# KiCad board HPM6E00FULLPORTRevB.kicad_pcb (continued)
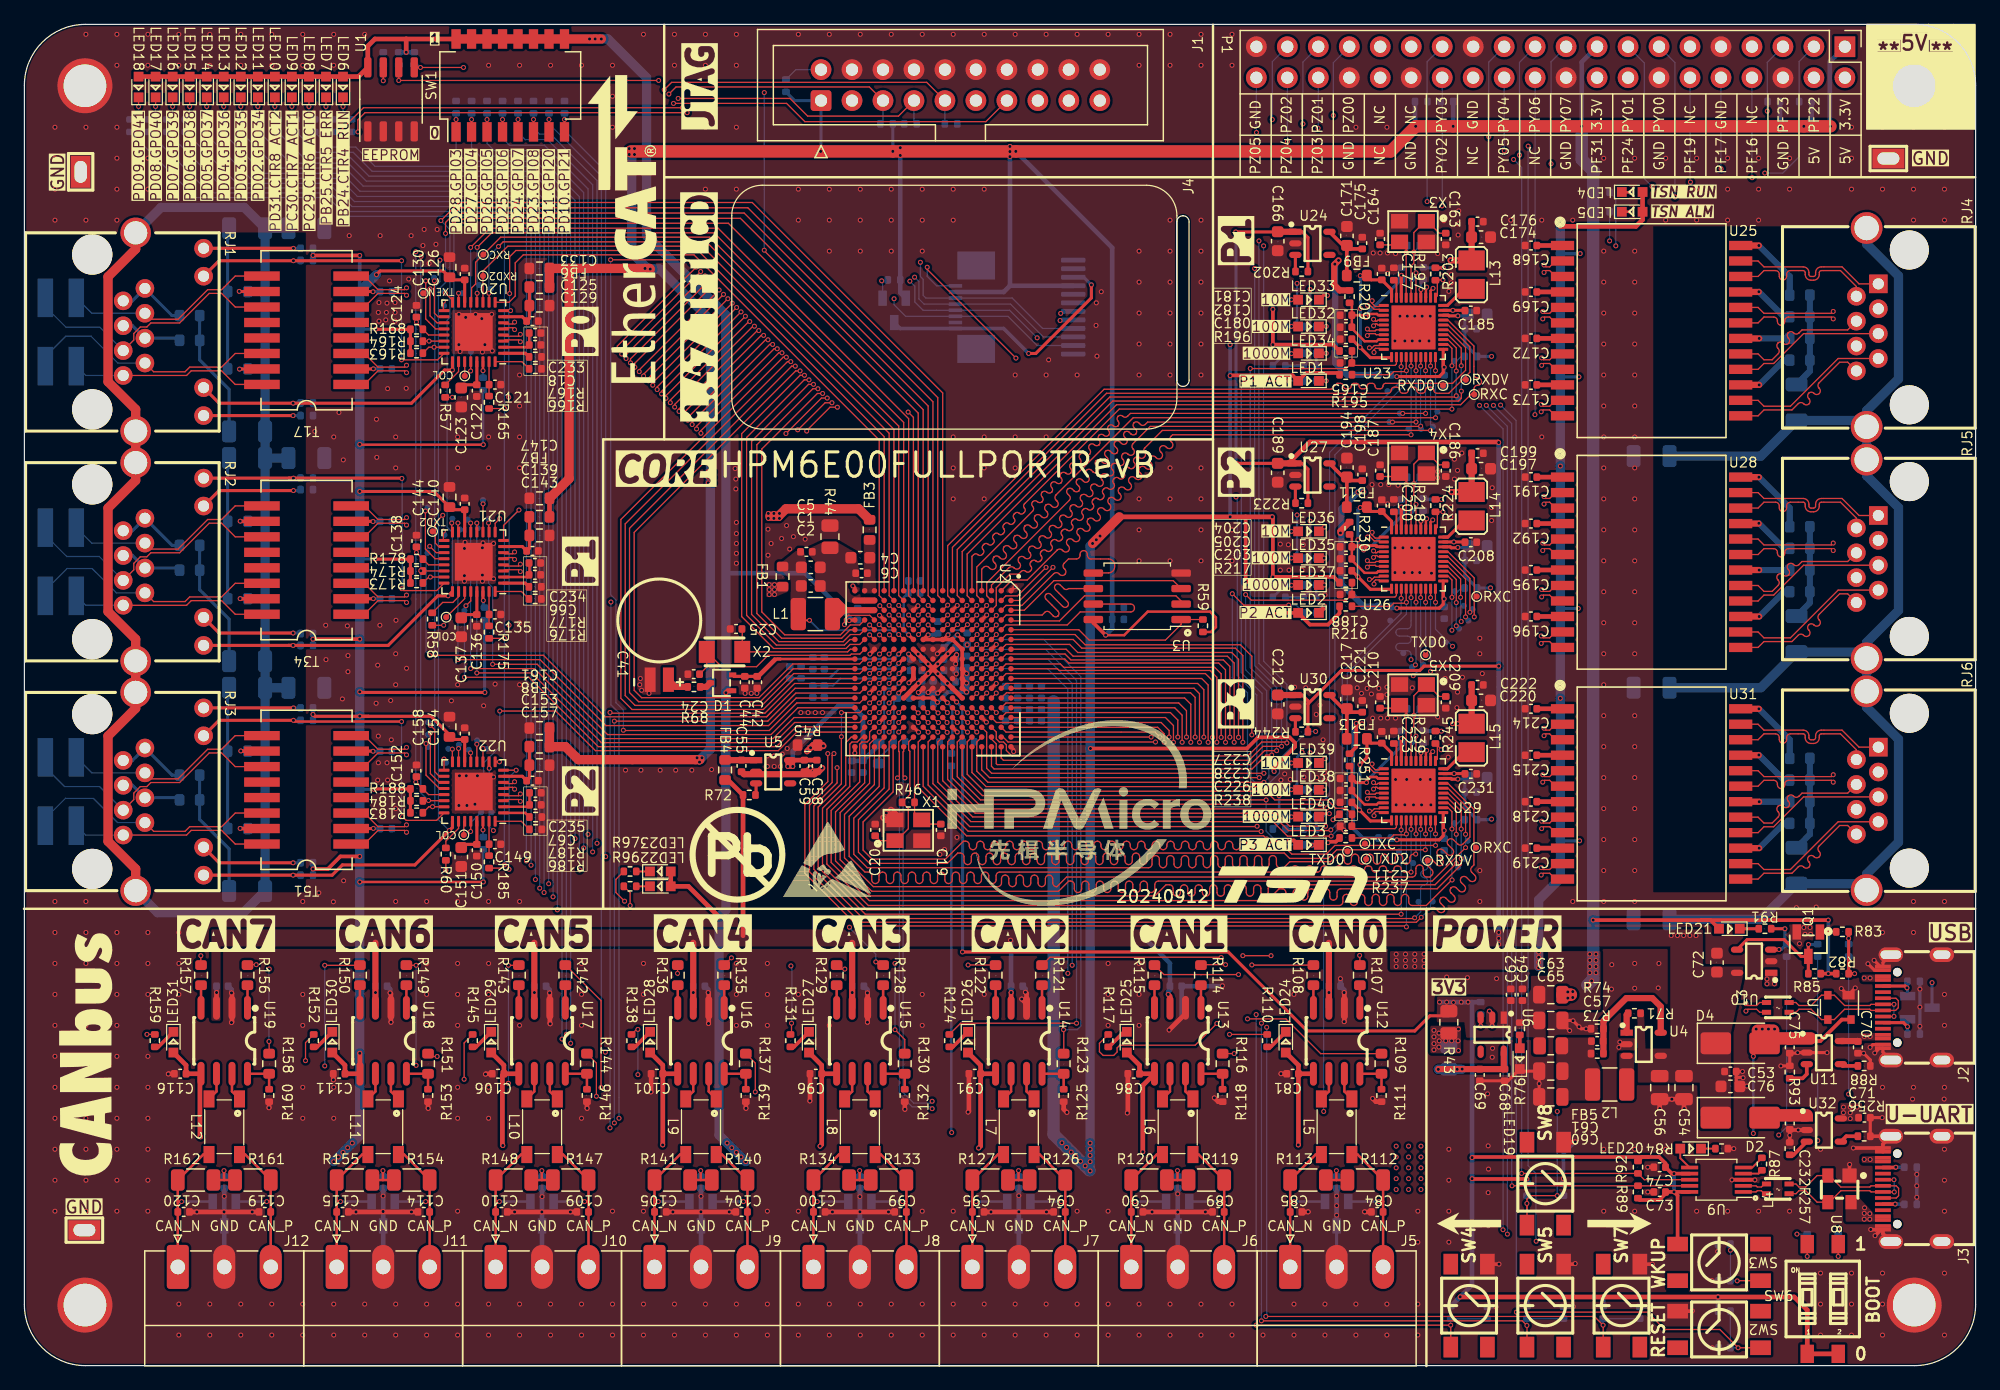
[diagram p0: board, top side]
## Routing (per net, layer and track width the routed paths; a pad name or vN(x,y) marks a point on that pad's centre or on a via; arc(x,y) is an arc through that point) (continued)
  POWER3 w0.102: v1(74.11,52.75) 74.11,52.52 73.73,52.14 73.73,51.02 69.05,46.34 44.36,46.34 39.74,50.97 v1(37.1,50.97)
/HPM6E00 FULL PORT MAINENTRY/PE13: length 47
  Top w0.102: v1(36.59,50.26) 36.59,49.53 U22.13 ; v1(74.92,53.53) U2.J13
  POWER3 w0.102: v1(36.59,50.26) 39.41,50.26 43.98,45.68 69.48,45.68 71.14,47.34 72.48,47.34 74.51,49.37 74.51,53.13 v1(74.92,53.53)
/HPM6E00 FULL PORT MAINENTRY/PE14: length 44.9
  Top w0.102: U2.L14 72.9,53.14 v1(73.29,52.75) ; U22.15 35.6,49.52 v1(35.6,50.61)
  POWER3 w0.102: v1(73.29,52.75) 73.22,52.75 72.74,52.26 72.74,50.92 68.8,46.98 44.74,46.98 40.02,51.7 36.69,51.7 v1(35.6,50.61)
/HPM6E00 FULL PORT MAINENTRY/PE15: length 46
  Top w0.102: U22.16 35.09,49.53 v1(35.09,50.56) ; U2.L13 72.9,53.93 v1(73.29,53.53)
  POWER3 w0.102: v1(35.09,50.56) 35.09,50.61 36.6,52.11 40.1,52.11 44.9,47.31 68.7,47.31 72.51,51.12 72.51,52.75 v1(73.29,53.53)
/HPM6E00 FULL PORT MAINENTRY/PE16: length 47.8
  Top w0.102: U22.17 34.41,48.84 v1(34.41,49.75) ; v1(74.08,53.56) 73.7,53.94 U2.K13
  POWER3 w0.102: v1(34.41,49.75) 35.27,49.75 36.85,51.32 39.89,51.32 44.54,46.68 68.93,46.68 72.96,50.71 72.96,52.16 73.14,52.34 73.47,52.34 73.7,52.57 73.7,53.18 v1(74.08,53.56)
/HPM6E00 FULL PORT MAINENTRY/PE17: length 48
  Top w0.102: v1(71.69,51.96) 72.09,52.35 U2.M15 ; v1(33.29,52.52) 33.64,52.16 33.64,48.71 34.02,48.33 U22.18
  POWER3 w0.102: v1(71.69,51.96) 71.69,51.63 68.37,48.3 45.41,48.3 40.38,53.33 34.1,53.33 v1(33.29,52.52)
/HPM6E00 FULL PORT MAINENTRY/PE18: length 49.4
  Top w0.102: U2.M14 v1(71.69,52.75) ; U22.19 34.01,47.83 33.29,48.55 33.29,51.88 v1(33.29,51.88)
  POWER3 w0.102: v1(33.29,51.88) 34.33,52.92 40.27,52.92 45.23,47.97 68.49,47.97 72.05,51.53 72.05,52.39 v1(71.69,52.75)
/HPM6E00 FULL PORT MAINENTRY/PE19: length 51.1
  Top w0.102: U2.M13 72.09,53.95 v1(71.69,53.56) ; U22.20 34.03,47.33 32.93,48.43 v1(32.93,51.02)
  POWER3 w0.102: v1(71.69,53.56) 72.28,52.97 72.28,51.32 68.6,47.64 45.05,47.64 40.17,52.52 34.43,52.52 v1(32.93,51.02)
/HPM6E00 FULL PORT MAINENTRY/PE20: length 81.3
  Top w0.102: U2.R17 69.7,47.65 67.25,45.2 67.25,41.65 69.61,39.28 79.82,39.28 arc(80.03,39.37) 80.12,39.58 80.12,39.93 arc(80.21,40.15) 80.42,40.23 arc(80.63,40.15) 80.72,39.93 80.72,39.58 arc(80.81,39.37) 81.02,39.28 arc(81.23,39.37) 81.32,39.58 81.32,39.93 arc(81.41,40.15) 81.62,40.23 arc(81.83,40.15) 81.92,39.93 81.92,39.58 arc(82.01,39.37) 82.22,39.28 arc(82.43,39.37) 82.52,39.58 82.52,39.93 arc(82.61,40.15) 82.82,40.23 arc(83.03,40.15) 83.12,39.93 83.12,39.58 arc(83.21,39.37) 83.42,39.28 arc(83.63,39.37) 83.72,39.58 83.72,39.93 arc(83.81,40.15) 84.02,40.23 arc(84.23,40.15) 84.32,39.93 84.32,39.58 arc(84.41,39.37) 84.62,39.28 84.67,39.28 85.46,40.07 113.8,40.07 arc(114.01,40.16) 114.1,40.37 114.1,40.77 arc(114.19,40.98) 114.4,41.07 arc(114.61,40.98) 114.7,40.77 114.7,40.37 arc(114.79,40.16) 115,40.07 115.26,40.07 115.41,40.23 arc(115.5,40.44) 115.41,40.65 115.06,41.01 arc(114.97,41.22) RXDV.1 arc(115.27,41.52) 115.49,41.43 115.84,41.08 arc(116.05,40.99) 116.26,41.08 arc(116.35,41.29) 116.26,41.5 115.91,41.86 arc(115.82,42.07) 115.91,42.28 arc(116.12,42.37) 116.33,42.28 116.69,41.93 arc(116.9,41.84) 117.11,41.93 arc(117.2,42.14) 117.11,42.35 116.76,42.71 arc(116.67,42.92) 116.76,43.13 arc(116.97,43.22) 117.18,43.13 117.54,42.78 arc(117.75,42.69) 117.96,42.78 118.53,43.35 118.53,45.56 116.74,47.35 U29.26
/HPM6E00 FULL PORT MAINENTRY/PE21: length 78.7
  Top w0.102: v1(118.18,42.48) 115.43,39.74 92.99,39.74 arc(92.78,39.65) 92.69,39.44 92.69,39.1 arc(92.6,38.89) 92.39,38.8 arc(92.18,38.89) 92.09,39.1 92.09,39.44 arc(92,39.65) 91.79,39.74 arc(91.58,39.65) 91.49,39.44 91.49,39.1 arc(91.4,38.89) 91.19,38.8 arc(90.98,38.89) 90.89,39.1 90.89,39.44 arc(90.8,39.65) 90.59,39.74 arc(90.38,39.65) 90.29,39.44 90.29,39.1 arc(90.2,38.89) 89.99,38.8 arc(89.78,38.89) 89.69,39.1 89.69,39.44 arc(89.6,39.65) 89.39,39.74 arc(89.18,39.65) 89.09,39.44 89.09,39.1 arc(89,38.89) 88.79,38.8 arc(88.58,38.89) 88.49,39.1 88.49,39.44 arc(88.4,39.65) 88.19,39.74 arc(87.98,39.65) 87.89,39.44 87.89,39.1 arc(87.8,38.89) 87.59,38.8 arc(87.38,38.89) 87.29,39.1 87.29,39.44 arc(87.2,39.65) 86.99,39.74 arc(86.78,39.65) 86.69,39.44 86.69,39.1 arc(86.6,38.89) 86.39,38.8 arc(86.18,38.89) 86.09,39.1 86.09,39.44 arc(86,39.65) 85.79,39.74 85.64,39.74 84.8,38.9 69.48,38.9 66.89,41.49 66.89,45.35 69.31,47.77 69.31,50.99 69.7,51.39 U2.R16 ; v1(118.18,43.58) 118.18,45.51 116.73,46.95 U29.25
  Bottom w0.102: v1(118.18,42.48) v1(118.18,43.58)
/HPM6E00 FULL PORT MAINENTRY/PE22: length 78.7
  Top w0.102: U2.R15 69.31,51.96 69.31,51.35 69.1,51.15 68.67,51.15 68.49,50.97 68.49,47.87 66.16,45.53 66.16,41.26 69.28,38.14 101.92,38.14 102.89,39.11 103.14,39.11 arc(103.35,39.02) 103.44,38.81 103.44,38.47 arc(103.53,38.26) 103.74,38.17 arc(103.95,38.26) 104.04,38.47 104.04,38.81 arc(104.13,39.02) 104.34,39.11 arc(104.55,39.02) 104.64,38.81 104.64,38.47 arc(104.73,38.26) 104.94,38.17 arc(105.15,38.26) 105.24,38.47 105.24,38.81 arc(105.33,39.02) 105.54,39.11 arc(105.75,39.02) 105.84,38.81 105.84,38.47 arc(105.93,38.26) 106.14,38.17 arc(106.35,38.26) 106.44,38.47 106.44,38.81 arc(106.53,39.02) 106.74,39.11 arc(106.95,39.02) 107.04,38.81 107.04,38.47 arc(107.13,38.26) 107.34,38.17 arc(107.55,38.26) 107.64,38.47 107.64,38.81 arc(107.73,39.02) 107.94,39.11 115.84,39.11 117.82,41.08 v1(117.82,41.57) ; v1(117.82,44.01) 117.82,45.46 116.73,46.55 U29.24
  Bottom w0.102: v1(117.82,41.57) v1(117.82,44.01)
/HPM6E00 FULL PORT MAINENTRY/PE23: length 78.7
  Top w0.102: v1(117.41,41.18) 115.67,39.44 102.29,39.44 arc(102.08,39.35) 101.99,39.14 101.99,38.8 arc(101.91,38.59) 101.69,38.5 arc(101.48,38.59) 101.39,38.8 101.39,39.14 arc(101.31,39.35) 101.09,39.44 arc(100.88,39.35) 100.79,39.14 100.79,38.8 arc(100.71,38.59) 100.49,38.5 arc(100.28,38.59) 100.19,38.8 100.19,39.14 arc(100.11,39.35) 99.89,39.44 arc(99.68,39.35) 99.59,39.14 99.59,38.8 arc(99.51,38.59) 99.29,38.5 arc(99.08,38.59) 98.99,38.8 98.99,39.14 arc(98.91,39.35) 98.69,39.44 arc(98.48,39.35) 98.39,39.14 98.39,38.8 arc(98.31,38.59) 98.09,38.5 arc(97.88,38.59) 97.79,38.8 97.79,39.14 arc(97.71,39.35) 97.49,39.44 arc(97.28,39.35) 97.19,39.14 97.19,38.8 arc(97.11,38.59) 96.89,38.5 arc(96.68,38.59) 96.59,38.8 96.59,39.14 arc(96.51,39.35) 96.29,39.44 arc(96.08,39.35) 95.99,39.14 95.99,38.8 arc(95.91,38.59) 95.69,38.5 arc(95.48,38.59) 95.39,38.8 95.39,39.14 arc(95.31,39.35) 95.09,39.44 arc(94.88,39.35) 94.79,39.14 94.79,38.8 arc(94.71,38.59) 94.49,38.5 arc(94.28,38.59) 94.19,38.8 94.19,39.14 arc(94.11,39.35) 93.89,39.44 93.61,39.44 92.7,38.52 69.38,38.52 66.51,41.39 66.51,45.41 68.9,47.79 U2.T17 ; U29.23 116.73,46.15 117.41,45.47 v1(117.41,43.58)
  Bottom w0.102: v1(117.41,43.58) 117.41,41.18 v1(117.41,41.18)
/HPM6E00 FULL PORT MAINENTRY/PE24: length 80
  Top w0.102: v1(117.06,44.01) 117.06,45.43 116.74,45.75 U29.22 ; v1(117.07,39.83) 117.05,39.83 114.95,37.73 113.81,37.73 arc(113.6,37.82) 113.51,38.03 113.51,38.35 arc(113.42,38.57) 113.21,38.65 arc(113,38.57) 112.91,38.35 112.91,38.03 arc(112.82,37.82) 112.61,37.73 arc(112.4,37.82) 112.31,38.03 112.31,38.35 arc(112.22,38.57) 112.01,38.65 arc(111.8,38.57) 111.71,38.35 111.71,38.03 arc(111.62,37.82) 111.41,37.73 arc(111.2,37.82) 111.11,38.03 111.11,38.35 arc(111.02,38.57) 110.81,38.65 arc(110.6,38.57) 110.51,38.35 110.51,38.03 arc(110.42,37.82) 110.21,37.73 arc(110,37.82) 109.91,38.03 109.91,38.35 arc(109.82,38.57) 109.61,38.65 arc(109.4,38.57) 109.31,38.35 109.31,38.03 arc(109.22,37.82) 109.01,37.73 arc(108.8,37.82) 108.71,38.03 108.71,38.35 arc(108.62,38.57) 108.41,38.65 arc(108.2,38.57) 108.11,38.35 108.11,38.03 arc(108.02,37.82) 107.81,37.73 69.2,37.73 65.8,41.14 65.8,45.62 67.68,47.5 67.68,50.97 67.86,51.15 68.29,51.15 68.7,51.55 U2.T16
  Bottom w0.102: R236.2 117.82,44.77 v1(117.06,44.01) 117.06,39.84 v1(117.07,39.83)
/HPM6E00 FULL PORT MAINENTRY/PE25: length 81.8
  Top w0.102: U29.27 116.73,47.75 118.86,45.62 118.86,41.06 118.68,40.88 arc(118.6,40.67) 118.68,40.46 118.94,40.21 arc(119.02,40) 118.94,39.78 arc(118.72,39.7) 118.51,39.78 118.26,40.04 arc(118.05,40.12) 117.84,40.04 arc(117.75,39.82) 117.84,39.61 118.09,39.36 arc(118.18,39.15) 118.09,38.93 arc(117.88,38.85) 117.66,38.93 117.41,39.19 arc(117.2,39.27) 116.99,39.19 arc(116.9,38.97) 116.99,38.76 117.24,38.51 arc(117.33,38.3) 117.24,38.09 arc(117.03,38) 116.81,38.09 116.56,38.34 arc(116.35,38.43) 116.14,38.34 arc(116.05,38.13) 116.14,37.91 116.39,37.66 arc(116.48,37.45) 116.39,37.24 arc(116.18,37.15) 115.97,37.24 115.71,37.49 arc(115.5,37.58) 115.29,37.49 115.18,37.38 69.08,37.38 65.45,41.01 65.45,45.71 67.35,47.61 67.35,51.09 67.81,51.55 U2.U16
/HPM6E00 FULL PORT MAINENTRY/PE26: length 78.7
  Top w0.102: v1(115.71,42.66) 107.46,42.66 106.75,41.95 103.93,41.95 102.87,43.01 102.38,43.01 arc(102.17,42.92) 102.08,42.71 102.08,42.61 arc(101.99,42.4) 101.78,42.31 arc(101.57,42.4) 101.48,42.61 101.48,42.71 arc(101.39,42.92) 101.18,43.01 arc(100.97,42.92) 100.88,42.71 100.88,42.61 arc(100.79,42.4) 100.58,42.31 arc(100.37,42.4) 100.28,42.61 100.28,42.71 arc(100.19,42.92) 99.98,43.01 arc(99.77,42.92) 99.68,42.71 99.68,42.61 arc(99.59,42.4) 99.38,42.31 arc(99.17,42.4) 99.08,42.61 99.08,42.71 arc(98.99,42.92) 98.78,43.01 arc(98.57,42.92) 98.48,42.71 98.48,42.61 arc(98.39,42.4) 98.18,42.31 arc(97.97,42.4) 97.88,42.61 97.88,42.71 arc(97.79,42.92) 97.58,43.01 arc(97.37,42.92) 97.28,42.71 97.28,42.61 arc(97.19,42.4) 96.98,42.31 arc(96.77,42.4) 96.68,42.61 96.68,42.71 arc(96.59,42.92) 96.38,43.01 arc(96.17,42.92) 96.08,42.71 96.08,42.61 arc(95.99,42.4) 95.78,42.31 arc(95.57,42.4) 95.48,42.61 95.48,42.71 arc(95.39,42.92) 95.18,43.01 arc(94.97,42.92) 94.88,42.71 94.88,42.61 arc(94.79,42.4) 94.58,42.31 arc(94.37,42.4) 94.28,42.61 94.28,42.71 arc(94.19,42.92) 93.98,43.01 arc(93.77,42.92) 93.68,42.71 93.68,42.61 arc(93.59,42.4) 93.38,42.31 arc(93.17,42.4) 93.08,42.61 93.08,42.71 arc(92.99,42.92) 92.78,43.01 arc(92.57,42.92) 92.48,42.71 92.48,42.61 arc(92.39,42.4) 92.18,42.31 arc(91.97,42.4) 91.88,42.61 91.88,42.71 arc(91.79,42.92) 91.58,43.01 arc(91.37,42.92) 91.28,42.71 91.28,42.61 arc(91.19,42.4) 90.98,42.31 arc(90.77,42.4) 90.68,42.61 90.68,42.71 arc(90.59,42.92) 90.38,43.01 arc(90.17,42.92) 90.08,42.71 90.08,42.61 arc(89.99,42.4) 89.78,42.31 arc(89.57,42.4) 89.48,42.61 89.48,42.71 arc(89.39,42.92) 89.18,43.01 arc(88.97,42.92) 88.88,42.71 88.88,42.61 arc(88.79,42.4) 88.58,42.31 arc(88.37,42.4) 88.28,42.61 88.28,42.71 arc(88.19,42.92) 87.98,43.01 arc(87.77,42.92) 87.68,42.71 87.68,42.61 arc(87.59,42.4) 87.38,42.31 arc(87.17,42.4) 87.08,42.61 87.08,42.71 arc(86.99,42.92) 86.78,43.01 arc(86.57,42.92) 86.48,42.71 86.48,42.61 arc(86.39,42.4) 86.18,42.31 arc(85.97,42.4) 85.88,42.61 85.88,42.71 arc(85.79,42.92) 85.58,43.01 arc(85.37,42.92) 85.28,42.71 85.28,42.61 arc(85.19,42.4) 84.98,42.31 arc(84.77,42.4) 84.68,42.61 84.68,42.71 arc(84.59,42.92) 84.38,43.01 arc(84.17,42.92) 84.08,42.71 84.08,42.61 arc(83.99,42.4) 83.78,42.31 arc(83.57,42.4) 83.48,42.61 83.48,42.71 arc(83.39,42.92) 83.18,43.01 arc(82.97,42.92) 82.88,42.71 82.88,42.61 arc(82.79,42.4) 82.58,42.31 arc(82.37,42.4) 82.28,42.61 82.28,42.71 arc(82.19,42.92) 81.98,43.01 arc(81.77,42.92) 81.68,42.71 81.68,42.61 arc(81.59,42.4) 81.38,42.31 arc(81.17,42.4) 81.08,42.61 81.08,42.71 arc(80.99,42.92) 80.78,43.01 arc(80.57,42.92) 80.48,42.71 80.48,42.61 arc(80.39,42.4) 80.18,42.31 arc(79.97,42.4) 79.88,42.61 79.88,42.71 arc(79.79,42.92) 79.58,43.01 arc(79.37,42.92) 79.28,42.71 79.28,42.61 arc(79.19,42.4) 78.98,42.31 arc(78.77,42.4) 78.68,42.61 78.68,42.71 arc(78.59,42.92) 78.38,43.01 arc(78.17,42.92) 78.08,42.71 78.08,42.61 arc(77.99,42.4) 77.78,42.31 arc(77.57,42.4) 77.48,42.61 77.48,42.71 arc(77.39,42.92) 77.18,43.01 77,43.01 75.53,41.54 69.51,41.54 68.77,42.28 68.77,44.59 71.24,47.06 71.24,50.69 U2.N17 ; U29.20 115.71,43.61 v1(115.71,43.61)
  Bottom w0.102: v1(115.71,42.66) v1(115.71,43.61)
/HPM6E00 FULL PORT MAINENTRY/PE27: length 78.7
  Top w0.102: v1(114.87,42.31) 107.61,42.31 106.9,41.6 103.75,41.6 103.31,42.04 92.35,42.04 arc(92.14,41.95) 92.05,41.74 92.05,41.39 arc(91.96,41.18) 91.75,41.09 arc(91.54,41.18) 91.45,41.39 91.45,41.74 arc(91.36,41.95) 91.15,42.04 arc(90.94,41.95) 90.85,41.74 90.85,41.39 arc(90.76,41.18) 90.55,41.09 arc(90.34,41.18) 90.25,41.39 90.25,41.74 arc(90.16,41.95) 89.95,42.04 arc(89.74,41.95) 89.65,41.74 89.65,41.39 arc(89.56,41.18) 89.35,41.09 arc(89.14,41.18) 89.05,41.39 89.05,41.74 arc(88.96,41.95) 88.75,42.04 arc(88.54,41.95) 88.45,41.74 88.45,41.39 arc(88.36,41.18) 88.15,41.09 arc(87.94,41.18) 87.85,41.39 87.85,41.74 arc(87.76,41.95) 87.55,42.04 arc(87.34,41.95) 87.25,41.74 87.25,41.39 arc(87.16,41.18) 86.95,41.09 arc(86.74,41.18) 86.65,41.39 86.65,41.74 arc(86.56,41.95) 86.35,42.04 arc(86.14,41.95) 86.05,41.74 86.05,41.39 arc(85.96,41.18) 85.75,41.09 arc(85.54,41.18) 85.45,41.39 85.45,41.74 arc(85.36,41.95) 85.15,42.04 arc(84.94,41.95) 84.85,41.74 84.85,41.39 arc(84.76,41.18) 84.55,41.09 arc(84.34,41.18) 84.25,41.39 84.25,41.74 arc(84.16,41.95) 83.95,42.04 arc(83.74,41.95) 83.65,41.74 83.65,41.39 arc(83.56,41.18) 83.35,41.09 arc(83.14,41.18) 83.05,41.39 83.05,41.74 arc(82.96,41.95) 82.75,42.04 arc(82.54,41.95) 82.45,41.74 82.45,41.39 arc(82.36,41.18) 82.15,41.09 arc(81.94,41.18) 81.85,41.39 81.85,41.74 arc(81.76,41.95) 81.55,42.04 arc(81.34,41.95) 81.25,41.74 81.25,41.39 arc(81.16,41.18) 80.95,41.09 arc(80.74,41.18) 80.65,41.39 80.65,41.74 arc(80.56,41.95) 80.35,42.04 arc(80.14,41.95) 80.05,41.74 80.05,41.39 arc(79.96,41.18) 79.75,41.09 arc(79.54,41.18) 79.45,41.39 79.45,41.74 arc(79.36,41.95) 79.15,42.04 arc(78.94,41.95) 78.85,41.74 78.85,41.39 arc(78.76,41.18) 78.55,41.09 arc(78.34,41.18) 78.25,41.39 78.25,41.74 arc(78.16,41.95) 77.95,42.04 arc(77.74,41.95) 77.65,41.74 77.65,41.39 arc(77.56,41.18) 77.35,41.09 arc(77.14,41.18) 77.05,41.39 77.05,41.74 arc(76.96,41.95) 76.75,42.04 76.53,42.04 75.68,41.19 69.31,41.19 68.39,42.1 68.39,44.77 70.91,47.28 70.91,51.16 U2.N16 ; v1(114.9,43.61) 114.91,43.61 U29.18
  Bottom w0.102: v1(114.9,43.61) 114.9,42.33 v1(114.87,42.31)
/HPM6E00 FULL PORT MAINENTRY/PE28: length 75.8
  Top w0.102: v1(66.64,49.04) 66.64,47.79 64.73,45.89 64.73,40.71 68.77,36.67 113.94,36.67 v1(114,36.73) ; v1(114.49,43.99) 114.51,44 U29.17 ; U2.N15 v1(70.91,51.96)
  POWER3 w0.102: v1(70.91,51.96) 70.91,51.73 68.21,49.04 v1(66.64,49.04)
  Bottom w0.102: v1(114,36.73) 114.49,37.22 114.49,39.13 arc(114.58,39.34) 114.79,39.43 arc(114.99,39.51) 115.08,39.72 115.08,39.73 arc(114.99,39.94) 114.79,40.03 arc(114.58,40.11) 114.49,40.32 114.49,40.33 arc(114.58,40.54) 114.79,40.63 arc(114.99,40.71) 115.08,40.92 115.08,40.93 arc(114.99,41.14) 114.79,41.23 arc(114.58,41.31) 114.49,41.52 v1(114.49,43.99)
/HPM6E00 FULL PORT MAINENTRY/PE29: length 78.7
  Top w0.102: U2.P17 70.5,47.39 68.01,44.9 68.01,41.94 69.12,40.83 92.17,40.83 arc(92.38,40.92) 92.47,41.13 92.47,41.53 arc(92.55,41.75) 92.77,41.83 arc(92.98,41.75) 93.07,41.53 93.07,41.13 arc(93.15,40.92) 93.37,40.83 arc(93.58,40.92) 93.67,41.13 93.67,41.53 arc(93.75,41.75) 93.97,41.83 arc(94.18,41.75) 94.27,41.53 94.27,41.13 arc(94.35,40.92) 94.57,40.83 arc(94.78,40.92) 94.87,41.13 94.87,41.53 arc(94.95,41.75) 95.17,41.83 arc(95.38,41.75) 95.47,41.53 95.47,41.13 arc(95.55,40.92) 95.77,40.83 arc(95.98,40.92) 96.07,41.13 96.07,41.53 arc(96.15,41.75) 96.37,41.83 arc(96.58,41.75) 96.67,41.53 96.67,41.13 arc(96.75,40.92) 96.97,40.83 arc(97.18,40.92) 97.27,41.13 97.27,41.53 arc(97.35,41.75) 97.57,41.83 arc(97.78,41.75) 97.87,41.53 97.87,41.13 arc(97.95,40.92) 98.17,40.83 arc(98.38,40.92) 98.47,41.13 98.47,41.53 arc(98.55,41.75) 98.77,41.83 arc(98.98,41.75) 99.07,41.53 99.07,41.13 arc(99.15,40.92) 99.37,40.83 arc(99.58,40.92) 99.67,41.13 99.67,41.53 arc(99.75,41.75) 99.97,41.83 arc(100.18,41.75) 100.27,41.53 100.27,41.13 arc(100.35,40.92) 100.57,40.83 arc(100.78,40.92) 100.87,41.13 100.87,41.53 arc(100.95,41.75) 101.17,41.83 arc(101.38,41.75) 101.47,41.53 101.47,41.13 arc(101.55,40.92) 101.77,40.83 arc(101.98,40.92) 102.07,41.13 102.07,41.53 arc(102.15,41.75) 102.37,41.83 arc(102.58,41.75) 102.67,41.53 102.67,41.13 arc(102.75,40.92) 102.97,40.83 103.27,40.83 103.76,41.33 107.11,41.33 107.74,41.95 107.91,41.95 arc(108.13,41.86) 108.21,41.65 108.21,41.42 arc(108.3,41.21) 108.51,41.12 arc(108.73,41.21) 108.81,41.42 108.81,41.65 arc(108.9,41.86) 109.11,41.95 arc(109.33,41.86) 109.41,41.65 109.41,41.42 arc(109.5,41.21) 109.71,41.12 arc(109.93,41.21) 110.01,41.42 110.01,41.65 arc(110.1,41.86) 110.31,41.95 arc(110.53,41.86) 110.61,41.65 110.61,41.42 arc(110.7,41.21) 110.91,41.12 arc(111.13,41.21) 111.21,41.42 111.21,41.65 arc(111.3,41.86) 111.51,41.95 arc(111.73,41.86) 111.81,41.65 111.81,41.42 arc(111.9,41.21) 112.11,41.12 arc(112.33,41.21) 112.41,41.42 112.41,41.65 arc(112.5,41.86) 112.71,41.95 arc(112.93,41.86) 113.01,41.65 113.01,41.42 arc(113.1,41.21) 113.31,41.12 arc(113.53,41.21) 113.61,41.42 113.61,41.65 arc(113.7,41.86) 113.91,41.95 v1(114.09,41.95) ; v1(114.11,43.61) 114.11,43.61 U29.16
  Bottom w0.102: v1(114.09,41.95) 114.11,41.98 v1(114.11,43.61)
/HPM6E00 FULL PORT MAINENTRY/PE30: length 78.7
  Top w0.102: U2.P16 70.09,51.15 70.09,47.51 67.63,45.05 67.63,41.77 68.93,40.48 69.18,40.48 arc(69.39,40.39) 69.48,40.18 69.48,39.84 arc(69.57,39.63) 69.78,39.54 arc(69.99,39.63) 70.08,39.84 70.08,40.18 arc(70.17,40.39) 70.38,40.48 arc(70.59,40.39) 70.68,40.18 70.68,39.84 arc(70.77,39.63) 70.98,39.54 arc(71.19,39.63) 71.28,39.84 71.28,40.18 arc(71.37,40.39) 71.58,40.48 arc(71.79,40.39) 71.88,40.18 71.88,39.84 arc(71.97,39.63) 72.18,39.54 arc(72.39,39.63) 72.48,39.84 72.48,40.18 arc(72.57,40.39) 72.78,40.48 arc(72.99,40.39) 73.08,40.18 73.08,39.84 arc(73.17,39.63) 73.38,39.54 arc(73.59,39.63) 73.68,39.84 73.68,40.18 arc(73.77,40.39) 73.98,40.48 arc(74.19,40.39) 74.28,40.18 74.28,39.84 arc(74.37,39.63) 74.58,39.54 arc(74.79,39.63) 74.88,39.84 74.88,40.18 arc(74.97,40.39) 75.18,40.48 arc(75.39,40.39) 75.48,40.18 75.48,39.84 arc(75.57,39.63) 75.78,39.54 arc(75.99,39.63) 76.08,39.84 76.08,40.18 arc(76.17,40.39) 76.38,40.48 arc(76.59,40.39) 76.68,40.18 76.68,39.84 arc(76.77,39.63) 76.98,39.54 arc(77.19,39.63) 77.28,39.84 77.28,40.18 arc(77.37,40.39) 77.58,40.48 arc(77.79,40.39) 77.88,40.18 77.88,39.84 arc(77.97,39.63) 78.18,39.54 arc(78.39,39.63) 78.48,39.84 78.48,40.18 arc(78.57,40.39) 78.78,40.48 arc(78.99,40.39) 79.08,40.18 79.08,39.84 arc(79.17,39.63) 79.38,39.54 arc(79.59,39.63) 79.68,39.84 79.68,40.18 arc(79.77,40.39) 79.98,40.48 103.65,40.48 arc(103.82,40.55) 103.9,40.73 arc(103.97,40.9) 104.15,40.98 104.25,40.98 arc(104.42,40.9) 104.5,40.73 arc(104.57,40.55) 104.75,40.48 104.85,40.48 arc(105.02,40.55) 105.1,40.73 arc(105.17,40.9) 105.35,40.98 105.45,40.98 arc(105.62,40.9) 105.7,40.73 arc(105.77,40.55) 105.95,40.48 106.05,40.48 arc(106.22,40.55) 106.3,40.73 arc(106.37,40.9) 106.55,40.98 106.65,40.98 arc(106.82,40.9) 106.9,40.73 arc(106.97,40.55) 107.15,40.48 107.25,40.48 arc(107.42,40.55) 107.5,40.73 arc(107.57,40.9) 107.75,40.98 107.85,40.98 arc(108.02,40.9) 108.1,40.73 arc(108.17,40.55) 108.35,40.48 108.45,40.48 arc(108.62,40.55) 108.7,40.73 arc(108.77,40.9) 108.95,40.98 109.05,40.98 arc(109.22,40.9) 109.3,40.73 arc(109.37,40.55) 109.55,40.48 109.65,40.48 arc(109.82,40.55) 109.9,40.73 arc(109.97,40.9) 110.15,40.98 110.25,40.98 arc(110.42,40.9) 110.5,40.73 arc(110.57,40.55) 110.75,40.48 110.85,40.48 arc(111.02,40.55) 111.1,40.73 arc(111.17,40.9) 111.35,40.98 111.45,40.98 arc(111.62,40.9) 111.7,40.73 arc(111.77,40.55) 111.95,40.48 112.05,40.48 arc(112.22,40.55) 112.3,40.73 arc(112.37,40.9) 112.55,40.98 112.65,40.98 arc(112.82,40.9) 112.9,40.73 arc(112.97,40.55) 113.15,40.48 v1(113.71,40.48) ; U29.15 113.71,43.99 v1(113.71,43.99)
  Bottom w0.102: v1(113.71,40.48) v1(113.71,43.99)
/HPM6E00 FULL PORT MAINENTRY/PE31: length 75.8
  Top w0.102: v1(114.54,36.77) 114.14,36.36 68.52,36.36 64.38,40.5 64.38,45.96 66.23,47.82 66.23,50.04 v1(66.38,50.2) ; U29.19 v1(115.31,43.99) ; v1(70.09,51.96) 70.49,52.35 U2.P15
  POWER3 w0.102: v1(70.09,51.96) 68.72,50.59 66.77,50.59 66.38,50.21 v1(66.38,50.2)
  Bottom w0.102: v1(114.54,36.77) 115.31,37.53 v1(115.31,43.99)
/HPM6E00 FULL PORT MAINENTRY/PF0: length 72.6
  Top w0.102: v1(67,53.56) 68.51,53.56 U2.T13 ; U29.13 112.91,43.95 v1(112.89,43.94) ; v1(112.89,37.02) 68.95,37.02 65.09,40.88 65.09,45.81 67,47.72 v1(67,51.58)
  Bottom w0.102: v1(67,51.58) v1(67,53.56) ; v1(112.89,43.94) v1(112.89,37.02)
/HPM6E00 FULL PORT MAINENTRY/PF1: length 83.2
  Top w0.102: R237.2 112.03,43.27 112.28,43.53 113.25,43.53 v1(113.32,43.61) 113.31,43.62 U29.14 ; v1(65.88,50.2) 65.88,47.89 64,46.01 64,40.38 68.32,36.06 113.25,36.06 v1(113.32,35.98) ; U2.N12 71.3,54.74 v1(70.91,54.35)
  POWER3 w0.102: v1(65.88,50.2) 66.6,50.92 68.49,50.92 69.89,52.31 70.27,52.31 70.47,52.52 70.47,53.91 v1(70.91,54.35)
  Bottom w0.102: v1(113.32,43.61) v1(113.32,35.98)
/HPM6E00 FULL PORT MAINENTRY/PF2: length 47.7
  Top w0.102: U21.15 35.55,68.42 v1(35.55,69.1) ; v1(35.55,57.9) 42.28,57.9 47.69,52.49 61.03,52.49 63.29,54.75 U2.U12
  Bottom w0.102: v1(35.55,57.9) v1(35.55,69.1)
/HPM6E00 FULL PORT MAINENTRY/PF3: length 49.5
  Top w0.102: U21.16 35.04,68.42 v1(35.04,69.1) ; v1(70.88,53.56) 71.28,53.95 U2.N13
  POWER3 w0.102: v1(35.04,69.1) 35.04,68.95 35.37,68.62 38.88,68.62 58.87,48.63 68.24,48.63 71.29,51.68 71.29,53.15 v1(70.88,53.56)
/HPM6E00 FULL PORT MAINENTRY/PF4: length 48.6
  Top w0.102: U2.N14 71.3,53.14 v1(70.91,52.75) ; v1(34.36,68.44) 34.36,67.73 U21.17
  POWER3 w0.102: v1(70.91,52.75) 70.91,52.54 70.5,52.14 70.5,51.86 68.26,49.62 58.31,49.62 38.34,69.59 34.89,69.59 34.36,69.05 v1(34.36,68.44)
/HPM6E00 FULL PORT MAINENTRY/PF5: length 47.1
  Top w0.102: v1(69.31,52.75) 69.7,53.14 U2.R14 ; U21.18 33.97,67.18 33.7,67.45 33.7,69.13 v1(34.3,69.74)
  POWER3 w0.102: v1(69.31,52.75) 68.62,52.75 67.83,51.96 57.06,51.96 38.72,70.3 34.86,70.3 v1(34.3,69.74)
/HPM6E00 FULL PORT MAINENTRY/PF6: length 49.1
  Top w0.102: v1(33.24,67.2) 33.76,66.68 U21.19 ; v1(33.21,58.26) 42.56,58.26 47.61,53.21 60.86,53.21 61.25,53.61 ; 61.25,53.61 63.2,55.55 U2.U11 ; 61.25,53.61 60.87,53.23
  Bottom w0.102: v1(33.24,67.2) 32.93,66.89 32.93,58.54 v1(33.21,58.26)
/HPM6E00 FULL PORT MAINENTRY/PF7: length 50.2
  Top w0.102: U2.R13 v1(69.31,53.56) ; v1(32.88,70.09) 32.88,70.09 32.88,66.97 33.68,66.18 U21.20
  POWER3 w0.102: v1(69.31,53.56) 68.54,53.56 67.81,52.82 57.29,52.82 39.06,71.06 33.85,71.06 v1(32.88,70.09)
/HPM6E00 FULL PORT MAINENTRY/PF8: length 55
  Top w0.102: v1(34.38,60.72) 34.38,60.72 R58.2 ; v1(69.31,54.35) 69.7,54.74 U2.R12 ; v1(40.55,70.17) 39.29,68.91 U21.8
  POWER3 w0.102: v1(69.31,54.35) 56.96,54.35 41.14,70.17 v1(40.55,70.17) ; v1(34.38,60.72) v1(39.74,60.72)
  Bottom w0.102: v1(40.55,70.17) 39.74,69.36 v1(39.74,60.72)
/HPM6E00 FULL PORT MAINENTRY/PF9: length 41.8
  Top w0.102: U2.P13 70.49,53.95 v1(70.09,53.56) ; U21.9 38.6,69.08 v1(38.98,69.46)
  POWER3 w0.102: v1(38.98,69.46) 57.22,51.22 68.37,51.22 69.71,52.57 69.71,52.95 70.09,53.33 v1(70.09,53.56)
/HPM6E00 FULL PORT MAINENTRY/PF10: length 45.5
  Top w0.102: U21.10 38.06,68.4 v1(38.06,69.1) ; v1(38.4,57.52) 42.05,57.52 47.82,51.76 61.23,51.76 63.43,53.95 U2.U13
  Bottom w0.102: v1(38.06,69.1) 38.06,64.15 38.39,63.82 v1(38.39,57.52)
/HPM6E00 FULL PORT MAINENTRY/PF11: length 44.1
  Top w0.102: U2.P12 v1(70.09,54.35) ; v1(37.61,70.68) 37.61,68.37 U21.11
  POWER3 w0.102: v1(37.61,70.68) 38.9,70.68 57.19,52.39 67.83,52.39 68.6,53.15 69.48,53.15 69.71,53.38 69.71,53.75 70.09,54.13 v1(70.09,54.35)
/HPM6E00 FULL PORT MAINENTRY/PF12: length 48.1
  Top w0.102: v1(37.1,56.81) 41.6,56.81 47.31,51.09 61.51,51.09 63.16,52.75 68.49,52.75 U2.T14 ; U21.12 37.1,69.1 v1(37.1,69.1)
  Bottom w0.102: v1(37.1,56.81) 37.1,56.81 v1(37.1,69.1)
/HPM6E00 FULL PORT MAINENTRY/PF13: length 47.3
  Top w0.102: U2.U14 63.11,53.15 61.38,51.42 47.56,51.42 41.82,57.17 v1(36.59,57.17) ; v1(36.59,69.1) 36.6,69.09 U21.13
  Bottom w0.102: v1(36.59,69.1) v1(36.59,57.17)
/HPM6E00 FULL PORT MAINENTRY/PF14: length 42.3
  Top w0.102: U21.28 36.6,62.71 v1(36.21,62.32) ; v1(36.08,56.45) 41.37,56.45 47.06,50.76 61.66,50.76 63.29,52.39 68.06,52.39 U2.U15
  Bottom w0.102: v1(36.08,56.45) 36.08,62.19 v1(36.21,62.32)
/HPM6E00 FULL PORT MAINENTRY/PF15: length 43.8
  Top w0.102: v1(38.98,53.68) 43.58,53.68 46.83,50.43 61.81,50.43 63.34,51.96 68.51,51.96 U2.T15 ; v1(36.59,43.8) 36.6,43.82 U22.28
  Bottom w0.102: v1(36.59,43.8) 36.59,44.52 37.66,45.58 37.66,49.42 38.98,50.74 v1(38.98,53.68)
/HPM6E00 FULL PORT MAINENTRY/PF16: length 145.6
  Top w0.102: U2.U9 63.05,57.15 60.34,54.45 50.37,54.45 49.62,55.2 49.62,68.67 62.92,81.97 v1(63.22,81.97)
  POWER3 w0.102: v1(141.67,97.42) 92.73,97.42 77.26,81.96 63.23,81.96 v1(63.22,81.97)
  Bottom w0.102: P1.8 141.66,97.43 v1(141.67,97.42)
/HPM6E00 FULL PORT MAINENTRY/PF17: length 144.9
  Top w0.102: v1(62.48,82.71) 62.22,82.71 48.91,69.4 48.91,54.73 49.82,53.81 60.59,53.81 63.13,56.35 U2.U10
  POWER3 w0.102: v1(62.48,82.71) 62.49,82.72 76.93,82.72 92.37,98.16 v1(139.13,98.16)
  Bottom w0.102: P1.10 139.12,98.17 v1(139.13,98.16)
